# Altium PCB board_layout.pcbdoc (part 2 of 3)
Units mil, origin at the board's own origin, x right, y up, seen from the top; angles counter-clockwise.
Board outline 3627.19 x 3509.21 mil, 2 copper layers (Top Layer, Bottom Layer), stack 61.811 mil thick; 199 components, 120 nets, 649 pads, 293 vias.
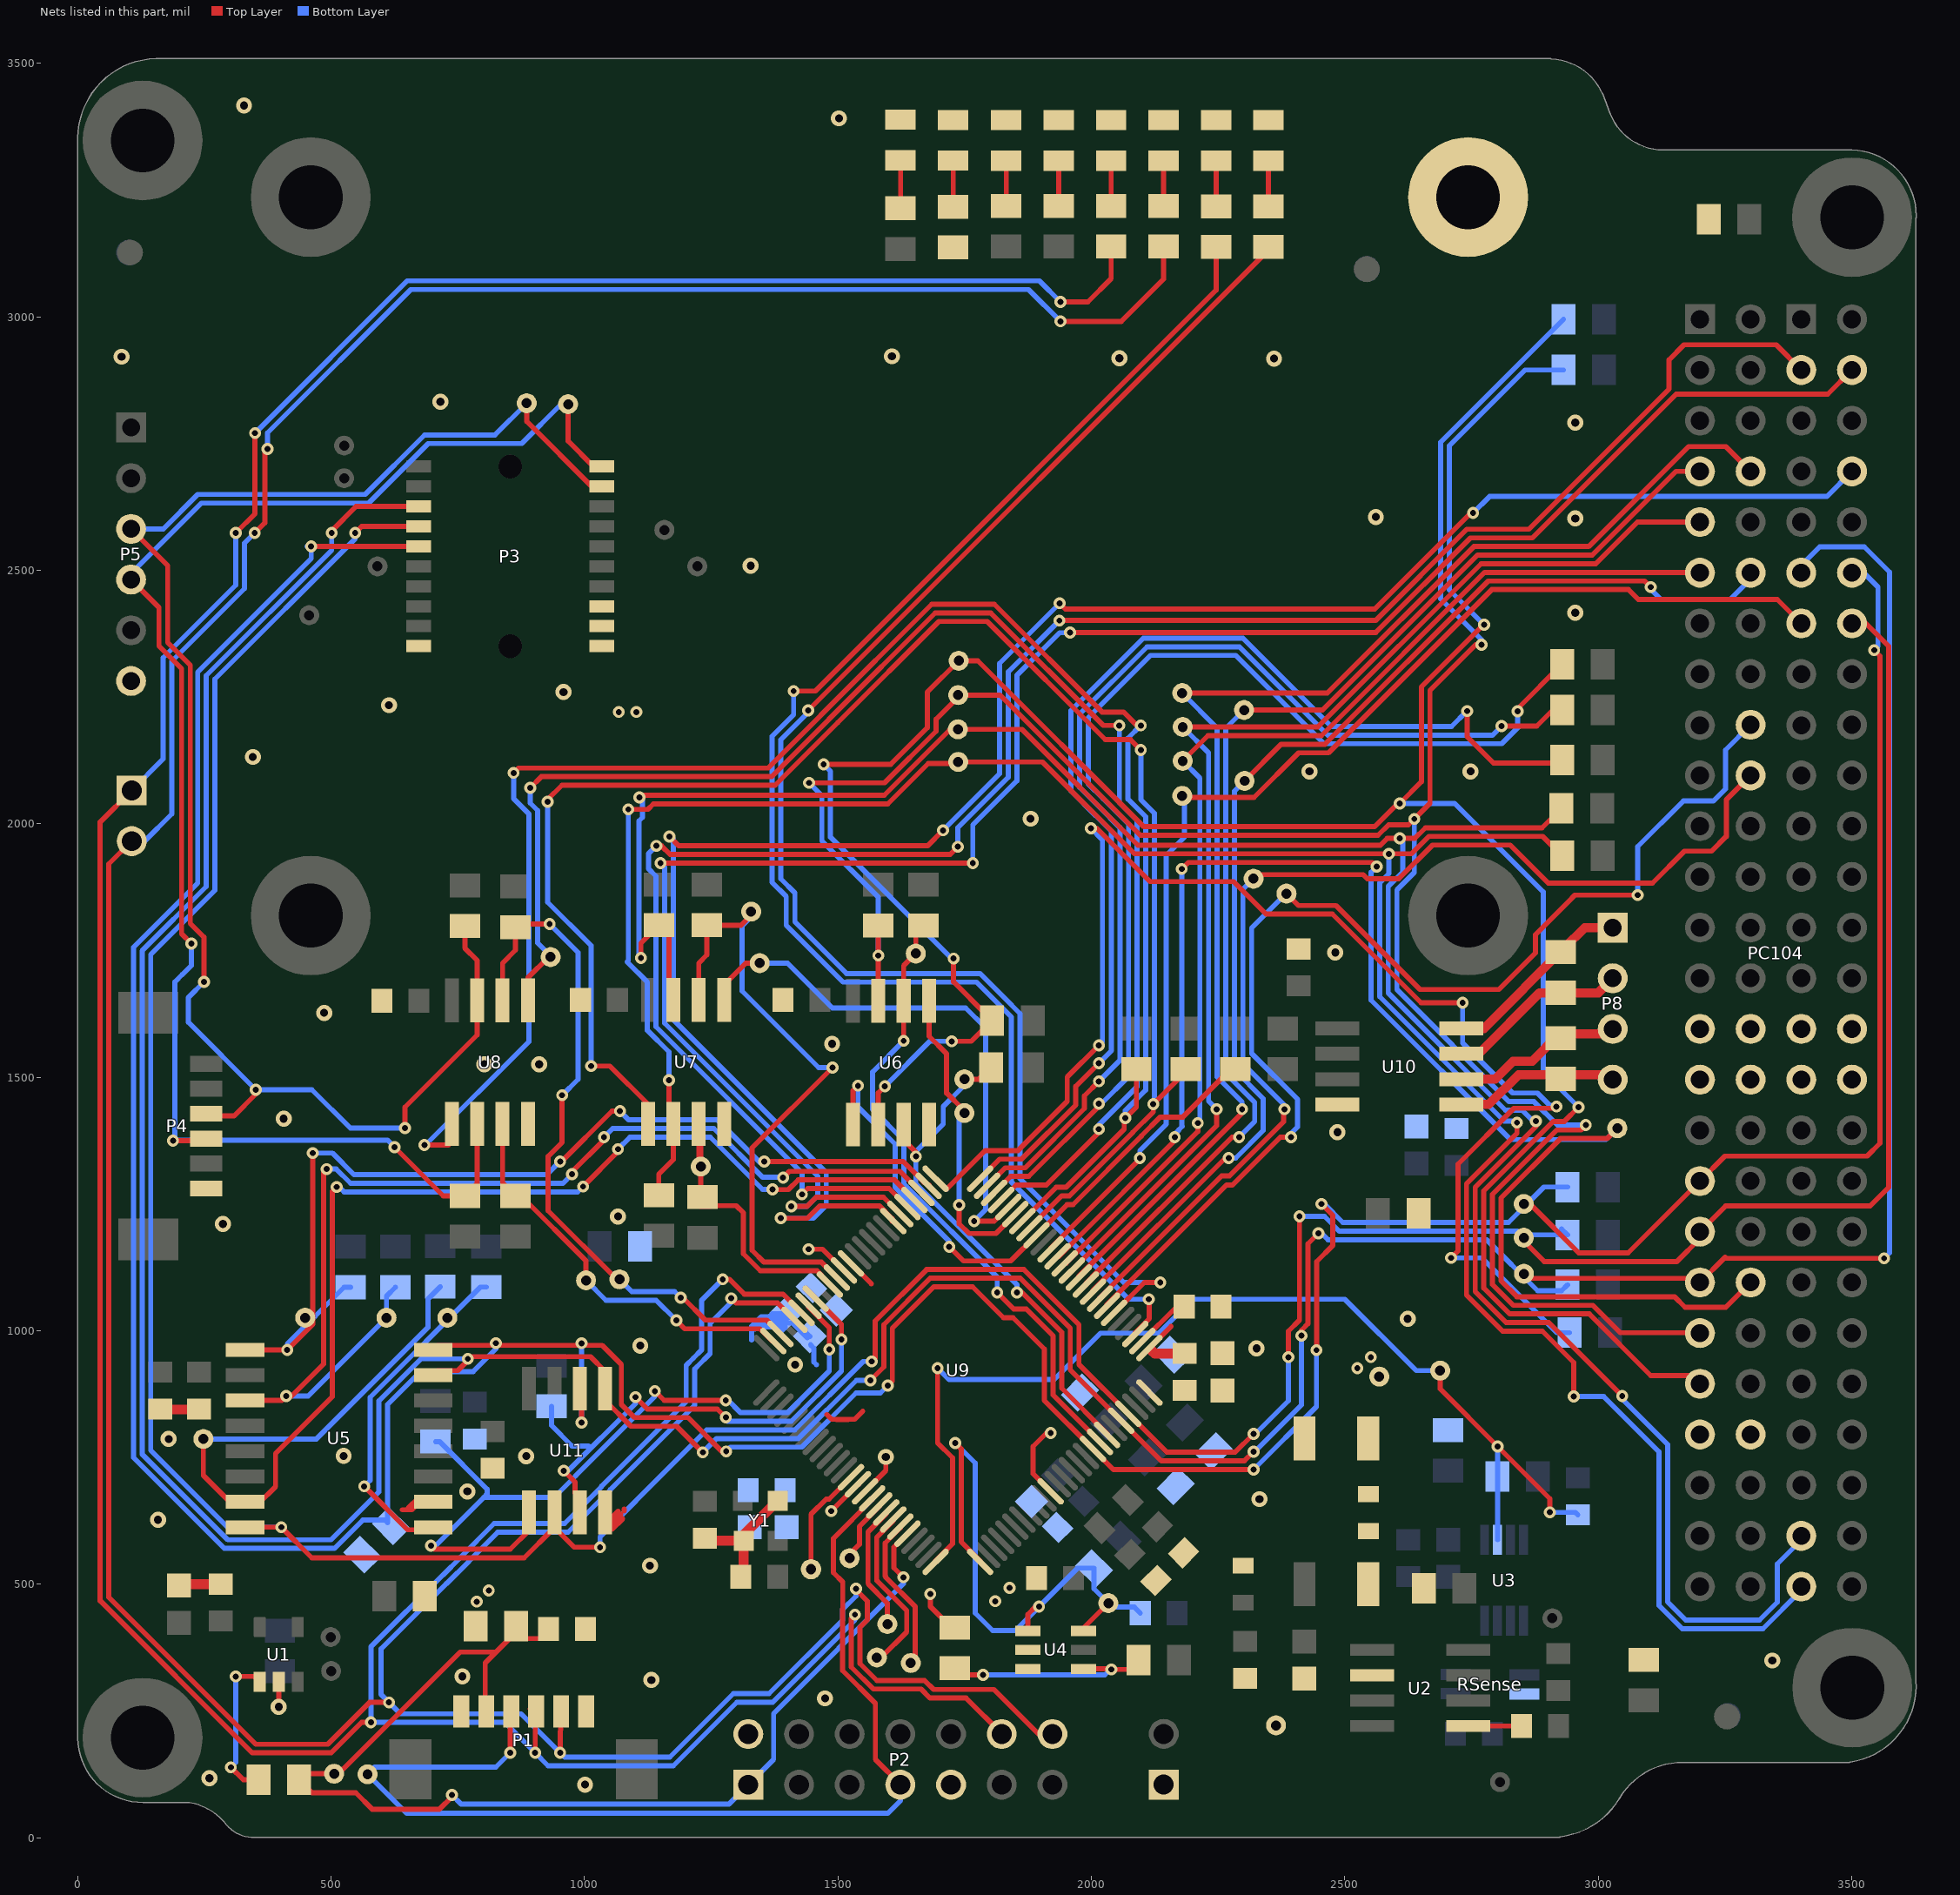
[diagram p2: the nets of this part, all layers, seen from the top]

## Via types
v1: diameter 23.62, hole 11.81, Top Layer to Bottom Layer, tented both sides, 247 vias
v2: diameter 31.5, hole 15.75, Top Layer to Bottom Layer, tented both sides, 28 vias
v3: diameter 31.5, hole 15.75, Top Layer to Bottom Layer, tented bottom, 8 vias
v4: diameter 31.5, hole 15.75, Top Layer to Bottom Layer, tented top, 8 vias
v5: diameter 31.5, hole 15.75, Top Layer to Bottom Layer, 2 vias

## Nets (pads, with @x,y where several pads share a name; then routed paths per layer and width w, separated by ;. In a path a pad name is that pad's centre, name@x,y a point inside that pad or via, vN(x,y) a via of type N, cw(c..) or ccw(c..) an arc to the next point about the centre after c; other vN are vias at no path point) (continued)
FRAM_SPI_CS: R39.1 U9.69 U11.1 | length 1518.6
  Top Layer w10: v1(696.85,575.79) 703.63,569.01 853.46,569.01 890.56,606.11 U11.1@890.56,641.43 ; v1(1138.78,880.91) 1157.13,862.55 v1(1278.54,862.55) ; U9.69@1442.1,1049.23 1442.1,1046.67 1482.92,1005.84 v1(1482.92,962.94)
  Bottom Layer w10: v1@701.32,571.31 801.27,671.26 ; R39.1@706.06,781.25 714.01,781.25 807.6,687.66 807.6,677.58 801.27,671.26 ; v1(1138.78,880.91) 1138.78,870.5 982.84,714.55 982.84,713.93 940.17,671.26 801.27,671.26 ; v1@1281.06,865.07 1307.84,838.29 1400.59,838.29 1482.92,920.63 v1(1482.92,962.94)
FRAM_WP: R40.1 U9.68 U11.3 | length 1065.6
  Top Layer w10: v1(959.06,723.78) 981.32,701.51 981.32,680.12 990.56,670.88 U11.3@990.56,641.43 ; v1(1100.39,869.09) 1123.94,845.55 1261.91,845.55 1278.53,828.94 v1(1278.73,828.94) ; U9.68@1456.02,1063.15 1506.95,1012.22 v1(1506.95,982.51)
  Bottom Layer w10: R40.1@934.75,850.75 934.75,813.28 975.39,772.64 1007.91,772.64 ; v1(959.06,723.78) 968.02,723.78 1100.39,856.15 v1(1100.39,869.09) ; v1(1278.73,828.94) 1278.73,824.7 1282.14,821.29 1407.63,821.29 1506.95,920.61 v1(1506.95,982.51)
GND: C1.2 C2.1 C3.2 C4.2 C5.1 C6.1 C7.2 C15.2 C16.2 C17.2 C18.2 C19.2 C20.2 C23.2 C24.2 C28.2 C29.2 C30.2 C31.2 C32.2 C34.2 C35.2 C36.2 C38.2 C39.2 D1.2 D2.2 D3.2 D4.2 D5.2 D6.2 D7.2 D8.2 FB2.1 MEC8.0 P1.6 P2.9 P3.2 P3.4 P3.6 P4.6 P5.6 PC104.H1-29 PC104.H1-30 PC104.H1-31 PC104.H1-32 PC104.H2-29 PC104.H2-30 PC104.H2-31 PC104.H2-32 R18.2 R_ESD.1 U1.2 U5.10 U6.4 U7.4 U8.4 U9.26 U9.63 U9.90 U10.4 U11.4 V1.2 V3.2 Y1.2 Y1.4 | length 1618.1
  Top Layer w10: C31.2@159.29,849.29 C30.2@235.43,849.29 ; C31.2@159.62,840.43 C30.2@235.76,840.43 ; C31.2@163.03,845.35 C30.2@239.17,845.35 ; C29.2@199.8,497.24 C29.2@202.56,500 ; v2(396.65,257.87) U1.2@396.65,307.09 ; 640.75,646.65 659.45,646.65 669.4,656.6 U5.10@669.4,666.26 ; 652.27,650.39 U5.10@673.16,671.27 ; U11.4@1037.4,608.01 1054.21,608.01 1075.09,628.89 ; U11.4@1045.35,623.1 1066.23,643.99 ; U11.4@1050.63,617.08 1071.51,637.96 ; 1078.19,644.43 1078.19,648.08 ; 1478.12,834.65 1487.64,825.12 1497.21,825.12 1497.47,824.86 1520.25,824.86 1520.5,825.12 1532.94,825.12 1548.76,840.94 ; U9.63@1525.61,1132.75 1565.92,1092.44 ; U9.90@1553.45,683.15 1594.49,724.18 v2(1594.49,750.98) ; 2119.92,960.2 U9.26@2114.41,965.71 2157.17,1008.47
  Top Layer w20: C29.2@202.56,500 C28.2@282.48,500 ; C3.2@1237.2,590.55 1242.13,585.63 Y1.2@1313.98,585.63 ; C4.2@1307.96,514.2 1313.98,520.21 Y1.2@1313.98,585.63 ; Y1.4@1380.91,664.37 1313.98,597.44 Y1.2@1313.98,585.63 ; 2119.92,960.2 2125.16,954.96 C15.2@2184.06,954.96
  Bottom Layer w10: 1329.72,981.3 1329.72,1008.89 1339.54,1018.7 ; 1336.07,1002.95 1347.93,1014.81 1410.8,1014.81 C18.2@1439.28,986.34 ; 1349.01,1007.33 1396.25,1007.33 1387.39,998.47 ; C17.2@1401.01,1024.61 1374.49,1024.61 1368.59,1018.7 1339.54,1018.7 ; C18.2@1444.61,988.87 1399.97,1033.51 C17.2@1396.25,1033.51 1370.41,1033.51 1364.46,1027.56 1348.39,1027.56 1339.54,1018.7 ; C18.2@1445.87,972.17 1452.35,965.68 1452.35,938.28 1457.56,933.07
  other v2: 1000.98,104.66 259.84,117.13 1131.69,311.02 758.86,317.91 3343.5,349.41 158.46,626.97 768.7,683.07 524.61,752.95 884.84,752.52 2325.79,965.27 1109.88,970.47 2624.02,1023.47 1065.94,1225.39 406.5,1418.31 2481.1,1746.06 2430.12,2103.33 2748.03,2103.35 614.17,2233.99 2954.72,2416.27 1327.76,2508.86 2561.02,2605.32 2360.24,2917.66 2055.12,2918.31 86.61,2921.26 1606.3,2922.24 328.18,3416.86
  other v3: 1129.02,536.42 179.48,786.42 1488.39,1565.94 486.22,1626.97 1879.92,2009.84 345.47,2131.89 958.58,2259.94 2954.72,2791.34
  other v4: 1474.41,274.61 2331.69,667.78 286.42,1210.63 2485.39,1391.73 802.17,1525.59 910.43,1525.59 2954.72,2602.36 715.55,2832.68
  other v5: 1415.35,933.07 1501.97,3391.73
I2C0_EN: R33.1 U6.1 U9.42 | length 1205.6
  Top Layer w10: U6.1@1529.6,1406.69 1529.6,1473.34 v1(1539.53,1483.27) ; v1(1719.49,1165.68) 1747.55,1137.61 1840.89,1137.61 U9.42@1891.69,1188.42 1952.1,1248.83 1963.66,1248.83 2098.53,1383.7 2098.53,1384.16 2135.9,1421.53 2180.42,1421.53 2275,1516.1 R33.1@2283.57,1516.1
  Bottom Layer w10: v1(1539.53,1483.27) 1539.53,1441.42 1612.94,1368.02 1612.94,1282.83 1719.49,1176.29 v1(1719.49,1165.68)
I2C0_READY: TP51.1 U6.5 U9.45 | length 605.3
  Top Layer w10: U6.5@1679.6,1650.98 1679.6,1581.02 1714.38,1546.24 1714.38,1468.69 1746.55,1436.52 TP51.1@1739.17,1429.13 ; v1(1739.17,1248.03) 1739.17,1211.14 1758.55,1191.76 1811.52,1191.76 U9.45@1849.94,1230.18
  Bottom Layer w10: v1(1739.17,1248.03) TP51.1@1739.17,1429.13
I2C0_SCL: R22.1 TP69.1 U6.3 U9.19 | length 1026.1
  Top Layer w10: U6.3@1629.6,1406.69 1629.6,1376.14 1653.75,1351.99 v1(1653.75,1343.73) ; TP69.1@1749.45,1496.06 1777.29,1496.06 R22.1@1793.04,1511.81 ; v1(1853.35,1075.33) 1862.95,1075.33 1941.39,996.89 1941.39,886.51 2030.89,797.02 U9.19@2030.89,794.5
  Bottom Layer w10: TP69.1@1749.45,1496.06 1749.45,1483.96 1707.7,1442.21 1707.7,1407.52 1653.75,1353.57 v1(1653.75,1343.73) 1653.75,1290.11 1853.35,1090.51 v1(1853.35,1075.33)
I2C0_SCL_BUF: J_PC2.2 PC104.H1-43 R28.1 TP59.1 U6.2 | length 5266.2
  Top Layer w10: v1(1471.62,2117.13) 1604.06,2117.13 1676.47,2189.54 1676.47,2259.95 TP59.1@1738.19,2321.67 1776.05,2321.67 2103.46,1994.26 2558.58,1994.26 2604.47,2040.15 v1(2608.27,2040.15) 2651.02,2082.9 2651.02,2270.11 2773.62,2392.72 v1(2774.61,2392.72) ; U6.2@1579.6,1406.69 1579.6,1469.37 v1(1592.52,1482.28) ; v1(1724.41,1570.87) 1763.01,1570.87 R28.1@1793.71,1601.57 ; v1(1728.1,1734.25) 1728.1,1688.19 1793.71,1622.58 R28.1@1793.71,1601.57 ; R28.1@1804.07,1611.93 R28.1@1793.71,1601.57 ; v1(2961.17,1440.94) 2933.16,1412.94 2911.17,1412.94 2774.16,1275.93 2774.16,1084.26 2825.33,1033.08 2982.3,1033.08 3103.7,911.69 3184.18,911.69 PC104.H1-43@3200.59,895.28
  Bottom Layer w10: v1(1471.62,2117.13) 1485.24,2103.51 1485.24,1973.43 1724.41,1734.25 v1(1728.1,1734.25) ; v1(1592.52,1482.28) 1681.1,1570.87 v1(1724.41,1570.87) ; v1(2608.27,2040.15) 2716.74,2040.15 2891.28,1865.61 2891.28,1510.83 v1(2961.17,1440.94) ; v1(2774.61,2392.72) 2705.98,2461.35 2705.98,2745.75 2855.5,2895.28 J_PC2.2@2931.46,2895.28
I2C0_SDA: R21.1 TP68.1 U6.6 U9.18 | length 1262.3
  Top Layer w10: v1(1629.6,1571.85) 1629.6,1648.38 1630.91,1649.68 U6.6@1629.6,1650.98 1629.6,1720.15 TP68.1@1653.54,1744.09 1653.54,1784.14 R21.1@1668.97,1799.57 ; v1@1814.14,1076.36 v1(1814.14,1075.33) 1846.68,1042.8 1871.44,1042.8 1924.39,989.85 1924.39,873.16 U9.18@2016.97,780.58
  Bottom Layer w10: v1(1629.6,1571.85) 1568.02,1510.27 1568.02,1436.98 1629.94,1375.06 1629.94,1289.88 1814.14,1105.67 v1@1814.14,1076.36
I2C0_SDA_BUF: J_PC1.2 PC104.H1-41 R27.1 TP58.1 U6.7 | length 4862.3
  Top Layer w10: v1(1443.04,2080.71) 1591.68,2080.71 1693.47,2182.5 1693.47,2206.27 1726.82,2239.61 1726.82,2251.97 TP58.1@1737.64,2241.14 ; U6.7@1579.6,1650.98 v1(1579.6,1740.16) R27.1@1579.6,1799.57 R27.1@1579.6,1808.43 ; TP58.1@1737.2,2253.94 1819.74,2253.94 2096.42,1977.26 2565.62,1977.26 2586.4,1998.03 2625.58,1998.03 v1(2637.1,2009.55) 2668.02,2040.47 2668.02,2263.07 2758.09,2353.15 v1(2769.49,2353.15) ; v1(2975.39,1405.7) 2965.63,1395.94 2918.21,1395.94 2791.16,1268.89 2791.16,1091.3 2832.37,1050.08 2989.35,1050.08 3043.37,996.06 3185.63,996.06 3193.5,988.19 PC104.H1-41@3200.59,995.28
  Bottom Layer w10: v1(1443.04,2080.71) 1468.24,2055.52 1468.24,1966.38 1579.6,1855.02 v1(1579.6,1740.16) ; v1(2637.1,2009.55) 2637.1,1903.83 2602.72,1869.45 2602.72,1673.15 2823.93,1451.93 2873.07,1451.93 2919.3,1405.7 v1(2975.39,1405.7) ; v1(2769.49,2353.15) 2769.49,2363.19 2688.98,2443.7 2688.98,2752.8 J_PC1.2@2931.46,2995.28
I2C1_EN: R34.1 U7.1 U9.43 | length 3325.9
  Top Layer w10: v1(927.34,2043.31) 927.34,2047.97 955.35,2075.98 1376.16,2075.98 1499.64,2199.46 1499.64,2199.69 1699.02,2399.07 1794.34,2399.07 2027.18,2166.24 2076.87,2166.24 v1(2097.44,2145.67) ; v1(1012.8,1522.05) 1050.07,1522.05 1125.27,1446.85 U7.1@1125.27,1407.87 ; U9.43@1877.77,1202.34 1941.26,1265.83 1956.61,1265.83 2081.53,1390.75 2081.53,1391.21 2122.05,1431.72 v1(2122.05,1446.85) 2186.14,1510.94 R34.1@2186.14,1516.1
  Bottom Layer w10: v1(927.34,2043.31) 927.34,1845.3 1012.8,1759.84 v1(1012.8,1522.05) ; v1(2097.44,2145.67) 2097.44,2047.57 2124.26,2020.75 2124.26,1449.07 v1(2122.05,1446.85)
I2C1_READY: TP54.1 U7.5 U9.46 | length 1086.1
  Top Layer w10: U7.5@1275.27,1652.17 1275.27,1682.3 1318.07,1725.1 TP54.1@1345.47,1725.1 ; v1(1768.7,1216.26) 1808.18,1216.26 U9.46@1836.02,1244.1
  Bottom Layer w10: TP54.1@1345.47,1725.1 1400.36,1725.1 1488.73,1636.72 1752.06,1636.72 1791.25,1597.53 1791.25,1238.81 v1(1768.7,1216.26)
I2C1_SCL: R24.1 TP53.1 U7.3 U9.66 | length 623.5
  Top Layer w10: TP53.1@1241.39,1323.82 TP53.1@1229.33,1335.88 ; U9.66@1483.86,1090.99 1466.98,1107.86 1466.98,1110.03 1458.81,1118.21 1452.84,1118.21 1346.88,1118.24 1313.18,1151.94 1313.18,1232.72 1299.23,1246.67 1249.09,1246.67 1247.5,1245.08 1229.33,1245.08 TP53.1@1229.33,1323.82 TP53.1@1229.33,1335.88 ; TP53.1@1229.33,1335.88 1225.27,1339.94 U7.3@1225.27,1407.87 1229.33,1403.82 TP53.1@1229.33,1335.88
I2C1_SCL_BUF: J_PC4.2 PC104.H2-51 R30.1 TP61.1 U7.2 | length 5056.2
  Top Layer w10: v1(1086.26,2028.35) 1125.02,2028.35 1135.87,2039.21 1598.26,2039.21 1678.15,2119.09 1737.2,2119.09 TP61.1@1740.16,2122.05 ; R30.1@1146.53,1267.36 1146.53,1308.93 1175.27,1337.67 U7.2@1175.27,1407.87 1166.44,1416.71 v1(1166.44,1494.09) ; TP61.1@1737.2,2122.05 TP61.1@1740.16,2122.05 ; v1(2839.57,1410.43) 2839.57,1389.42 2740.16,1290.01 2740.16,1070.17 2811.25,999.08 2890.01,999.08 2951.77,937.33 v1(2951.77,870.08) ; J_PC4.2@2927.25,1935.76 2916.69,1925.2 2916.69,1948.82 2890.39,1975.13 2665.95,1975.13 2631.56,1940.73 v1(2586.83,1940.73) 2084.86,1940.73 1903.54,2122.05 TP61.1@1740.16,2122.05
  Bottom Layer w10: v1(1086.26,2028.35) 1086.26,1730.35 1083.66,1727.75 1123.91,1687.5 1123.91,1592.58 1166.44,1550.06 v1(1166.44,1494.09) ; v1(2586.83,1940.73) 2586.83,1901.64 2568.72,1883.53 2568.72,1659.07 2814.4,1413.39 2836.61,1413.39 v1(2839.57,1410.43) ; v1(2951.77,870.08) 3010.83,870.08 3119.81,761.09 3119.81,457.94 3165.62,412.13 3324.96,412.13 3400.59,487.77 PC104.H2-51@3400.59,495.28
I2C1_SDA: R23.1 TP52.1 U7.6 U9.65 | length 1266.8
  Top Layer w10: U7.6@1225.27,1652.17 1225.27,1725.1 1241.39,1741.22 R23.1@1241.39,1799.76 1308.62,1799.76 TP52.1@1325.79,1816.93 ; v1(1489.17,1519.28) 1330.52,1360.63 1330.52,1158.64 1353.92,1135.24 1467.44,1135.24 U9.65@1497.77,1104.91
  Bottom Layer w10: TP52.1@1329.58,1826.77 1329.58,1816.78 1310.91,1798.12 1310.91,1670.04 1461.68,1519.28 v1(1489.17,1519.28)
I2C1_SDA_BUF: J_PC3.2 PC104.H2-49 R29.1 TP60.1 U7.7 | length 4868.2
  Top Layer w10: v1(1108.27,2052.17) 1112.31,2056.21 1591.22,2056.21 TP60.1@1719.07,2184.06 ; v1(1111.22,1735.24) 1111.22,1764.45 R29.1@1146.53,1799.76 1166.44,1779.86 1166.44,1661 U7.7@1175.27,1652.17 ; TP60.1@1736.62,2186.42 1863.21,2186.42 2091.9,1957.73 2570.14,1957.73 2583.73,1971.32 v1(2608.27,1971.32) 2638.1,1971.32 2658.91,1992.13 2888.94,1992.13 J_PC3.2@2927.52,2030.71 ; v1(2876.97,1413.39) 2876.97,1402.78 2757.16,1282.97 2757.16,1077.21 2818.29,1016.08 2902.22,1016.08 v1(3047.24,871.06)
  Bottom Layer w10: v1(1108.27,2052.17) 1114.17,2046.26 1114.17,2012.57 1107.47,2005.87 1107.47,1738.98 v1(1111.22,1735.24) ; v1(2608.27,1971.32) 2614.17,1965.41 2614.17,1904.95 2585.72,1876.49 2585.72,1666.11 2816.89,1434.93 2849.72,1434.93 2871.26,1413.39 v1(2876.97,1413.39) ; v1(3047.24,871.06) 3041.34,871.06 3136.81,775.59 3136.81,464.99 3172.66,429.13 3317.91,429.13 3353.35,464.57 3353.35,540 3400.59,587.25 PC104.H2-49@3400.59,595.28
I2C2_EN: R35.1 U8.1 U9.44 | length 3620.2
  Top Layer w10: v1(684.06,1366.14) 731.4,1366.14 738.25,1372.99 U8.1@738.25,1407.68 ; v1(859.95,2100.39) 869.54,2109.98 1362.08,2109.98 1465.64,2213.54 1465.64,2213.78 1684.94,2433.07 1808.43,2433.07 2021.03,2220.47 2063.19,2220.47 2089.77,2193.9 v1(2097.44,2193.9) ; U9.44@1863.86,1216.26 1930.42,1282.83 1949.57,1282.83 2064.53,1397.79 2064.53,1416.94 v1(2067.04,1419.45) 2088.7,1441.11 R35.1@2088.7,1516.1
  Bottom Layer w10: v1(684.06,1366.14) 686.2,1366.14 890.29,1570.23 890.29,1819.07 890.48,1819.26 890.48,2019.19 859.95,2049.71 v1(859.95,2100.39) ; v1(2067.04,1419.45) 2067.04,1434.51 2107.26,1474.74 2107.26,2013.71 2072.12,2048.85 2072.12,2168.57 v1(2097.44,2193.9)
I2C2_READY: TP57.1 U8.5 U9.47 | length 2955.1
  Top Layer w10: U8.5@888.25,1651.97 888.25,1696.32 929.13,1737.2 TP57.1@933.07,1737.2 ; v1(892.72,2070.87) 914.83,2092.98 1369.12,2092.98 1482.64,2206.5 1482.64,2206.73 1691.98,2416.07 1801.39,2416.07 2023.56,2193.9 v1(2055.12,2193.9) ; U9.47@1822.1,1258.02 1851.48,1287.4 1910.95,1287.4 2014.76,1391.21 v1(2014.76,1397.64) ; v1@2017.98,1394.42 v1@2021.19,1397.64
  Bottom Layer w10: v1(892.72,2070.87) 892.72,2040.99 907.48,2026.23 907.48,1812.22 907.29,1812.03 907.29,1764.95 933.07,1739.17 TP57.1@933.07,1737.2 ; v1(2014.76,1397.64) 2014.76,1406.28 2090.26,1481.78 2090.26,2006.67 2055.12,2041.81 v1(2055.12,2193.9)
I2C2_SCL: R26.1 TP56.1 U8.3 U9.74 | length 802.1
  Top Layer w10: U8.3@838.25,1407.68 838.25,1291.5 R26.1@863.82,1265.93 874.82,1265.93 1002.95,1137.8 TP56.1@1002.95,1099.32 ; v1(1181.1,1020.32) 1197.62,1003.8 1345.81,1003.8 1369.98,979.63 U9.74@1372.5,979.63
  Bottom Layer w10: TP56.1@1002.95,1099.32 1042.23,1060.04 1141.38,1060.04 v1(1181.1,1020.32)
I2C2_SCL_BUF: P3.20 P4.4 P5.4 R32.1 TP63.1 U8.2 | length 3177.5
  Top Layer w10: P5.4@105.31,2481.69 160.43,2426.57 160.43,2350.62 205.13,2305.92 205.13,1783.06 v1(224.41,1763.78) ; v1(187.99,1375) 253.86,1375 P4.4@254.45,1374.41 ; v1(625,1362.2) 721.28,1265.93 R32.1@763.82,1265.93 788.25,1290.35 U8.2@788.25,1407.68 ; TP63.1@967.52,2827.76 967.52,2755.12 1017.91,2704.72 P3.20@1034.06,2704.72
  Bottom Layer w10: P5.4@105.31,2481.69 105.31,2494.09 243.91,2632.69 574.06,2632.69 691.36,2750 875.98,2750 953.74,2827.76 TP63.1@967.52,2827.76 ; v1(224.41,1763.78) 224.41,1720.47 206.59,1702.65 206.39,1702.65 191.93,1688.19 191.93,1375.98 611.22,1375.98 v1(625,1362.2)
I2C2_SDA: R25.1 TP55.1 U8.6 U9.73 | length 1404.8
  Top Layer w10: U8.6@838.25,1651.97 838.25,1725.06 863.82,1750.63 R25.1@863.82,1796.22 869.77,1802.17 v1(931.1,1802.17) ; v1(955.71,1464.57) 955.71,1371.53 927.96,1343.79 927.96,1236.83 1063.41,1101.38 TP55.1@1068.9,1101.38 ; v1(1189.96,1064.96) 1193.9,1064.96 1238.06,1020.8 1359.17,1020.8 U9.73@1386.42,993.55
  Bottom Layer w10: v1(931.1,1802.17) 987.2,1746.06 987.2,1496.06 v1(955.71,1464.57) ; TP55.1@1061.02,1101.38 TP55.1@1068.9,1101.38 1093.24,1077.04 1177.88,1077.04 v1(1189.96,1064.96)
I2C2_SDA_BUF: P3.18 P4.3 P5.3 R31.1 TP62.1 U8.7 | length 3271.5
  Top Layer w10: P5.3@105.31,2581.69 177.43,2509.57 177.43,2357.66 222.13,2312.96 222.13,1803.15 249.02,1776.26 v1(249.02,1687.99) ; P4.3@254.45,1423.62 308.46,1423.62 351.38,1466.54 v1(351.38,1475.39) ; v1(645.67,1399.61) 645.67,1440.85 788.25,1583.42 U8.7@788.25,1651.97 788.25,1730.45 763.82,1754.88 R31.1@763.82,1798.58 ; TP62.1@885.83,2829.72 885.83,2793.75 1014.23,2665.35 P3.18@1034.06,2665.35
  Bottom Layer w10: P5.3@105.31,2581.69 168.87,2581.69 236.87,2649.69 567.02,2649.69 684.32,2767 823.1,2767 TP62.1@885.83,2829.72 ; v1(249.02,1687.99) 218.5,1657.48 218.5,1608.27 v1(351.38,1475.39) 462.06,1475.39 537.85,1399.61 v1(645.67,1399.61)
JTAG_TCK: P1.3 P2.7 TP1.1 U9.91 | length 2152.6
  Top Layer w10: v1(853.35,167.32) P1.3@853.35,244.09 ; U9.91@1567.37,669.23 1567.37,666.71 1490.91,590.25 1490.91,522.87 1509.31,504.47 1509.31,450.45 1508.96,450.11 1508.96,329.78 1573.82,264.93 1573.82,154.33 P2.7@1623.43,104.72
  Bottom Layer w10: v1(853.35,167.32) 825.05,139.02 585.87,139.02 TP1.1@571.85,125 648.94,47.91 1598.11,47.91 1623.43,73.23 P2.7@1623.43,104.72
JTAG_TDO_TDI: C1.1 P1.2 P2.1 R1.1 R8.2 TP2.1 U9.96 | length 2364.7
  Top Layer w10: v1(738.19,84.4) 738.19,80.55 713.74,56.1 581.03,56.1 548.55,88.58 462.24,88.58 R8.2@436.65,114.17 448.46,125.98 TP2.1@505.91,125.98 514.39,125.98 754.55,366.14 825.59,366.14 ; P1.2@804.13,244.09 804.13,344.68 825.59,366.14 ; R1.1@864.8,416.84 R1.1@864.8,405.35 ; C1.1@929.13,411.42 910.43,392.72 864.8,392.72 R1.1@864.8,405.35 ; v1(1628.94,513.56) 1610.24,532.26 1610.24,572.9 U9.96@1636.97,599.63 ; 825.59,366.14 R1.1@864.8,405.35
  Bottom Layer w10: v1(738.19,84.4) 756.64,65.94 1284.65,65.94 P2.1@1323.03,104.33 1373.03,154.33 1373.03,244.88 1628.94,500.78 v1(1628.94,513.56)
JTAG_VCC: P1.1 P2.2 P6.1
MAIN_RADIO_ENABLE: PC104.H1-12 TP32.1 U9.34 | length 2399.9
  Top Layer w10: U9.34@2003.05,1077.07 2003.05,1079.58 2264.02,1340.55 v1(2270.8,1340.55) ; TP32.1@2302.17,2084.65 2374.46,2156.94 2460.79,2156.94 2782.8,2478.96 3091.42,2478.96 v1(3103.35,2467.03)
  Bottom Layer w10: v1(2270.8,1340.55) 2284.65,1340.55 2339.04,1394.94 2339.04,1457.64 2282.09,1514.59 2282.09,2064.57 TP32.1@2302.17,2084.65 ; v1(3103.35,2467.03) 3103.35,2462.6 3124.02,2441.93 3259.84,2441.93 3300.59,2482.68 PC104.H1-12@3300.59,2495.28
MAIN_RADIO_GPIO0: PC104.H1-7 TP28.1 U9.35 | length 2412.4
  Top Layer w10: U9.35@1989.13,1090.99 1989.13,1093.5 2013.3,1117.67 2260.66,1365.05 2277.52,1381.89 v1(2291.34,1381.89) ; TP28.1@2301.18,2224.41 2456.13,2224.41 2761.68,2529.96 2988.05,2529.96 3153.37,2695.28 PC104.H1-7@3200.59,2695.28
  Bottom Layer w10: v1(2291.34,1381.89) 2322.04,1412.59 2322.04,1450.6 2265.09,1507.55 2265.09,2188.32 TP28.1@2301.18,2224.41
MAIN_RADIO_GPIO1: PC104.H1-8 TP29.1 U9.36 | length 2685.2
  Top Layer w10: U9.36@1975.21,1104.91 1975.21,1107.42 2297.24,1429.46 v1(2297.24,1437.01) v1@2297.24,1439.96 ; TP29.1@2179.13,2257.87 2465.55,2257.87 2754.63,2546.96 2981.01,2546.96 3178.15,2744.09 3251.77,2744.09 PC104.H1-8@3300.59,2695.28
  Bottom Layer w10: TP29.1@2179.13,2257.87 2248.09,2188.92 2248.09,1500.51 2297.24,1451.35 v1(2297.24,1437.01) v1@2297.24,1433.07
MAIN_RADIO_GPIO2: PC104.H1-9 TP30.1 U9.37 | length 2406.2
  Top Layer w10: U9.37@1961.29,1118.83 2247.05,1404.58 v1(2247.05,1437.01) ; TP30.1@2180.12,2190.94 2446.71,2190.94 2768.72,2512.96 2995.09,2512.96 3077.41,2595.28 PC104.H1-9@3200.59,2595.28
  Bottom Layer w10: TP30.1@2180.12,2190.94 2231.09,2139.98 2231.09,1452.97 v1(2247.05,1437.01)
MAIN_RADIO_RESET: PC104.H1-11 TP31.1 U9.38 | length 2292.1
  Top Layer w10: U9.38@1947.37,1132.75 1949.87,1132.75 2209.88,1392.75 v1(2209.88,1409.67) ; TP31.1@2180.12,2124.02 2230.05,2173.94 2453.75,2173.94 2775.76,2495.96 3199.91,2495.96 PC104.H1-11@3200.59,2495.28
  Bottom Layer w10: TP31.1@2180.12,2124.02 2214.09,2090.05 2214.09,1413.88 v1(2209.88,1409.67)
MAIN_RADIO_SPI_CS: PC104.H1-40 TP33.1 U9.39 | length 3120.3
  Top Layer w10: U9.39@1933.45,1146.66 1935.97,1146.66 1960.14,1170.83 1960.4,1170.83 2164.37,1374.8 v1(2164.37,1381.89) ; v1(2178.15,1910.75) 2191.13,1923.73 2554.54,1923.73 v1(2562.92,1915.35) ; TP33.1@3037.64,1399.5 3017.07,1378.94 2925.25,1378.94 2808.16,1261.84 2808.16,1098.34 2839.41,1067.08 3150.44,1067.08 3171.26,1046.26 3251.57,1046.26 PC104.H1-40@3300.59,1095.28
  Bottom Layer w10: v1@2164.37,1384.96 2164.37,1387.4 2172.87,1395.91 2172.24,1396.54 2179.13,1403.43 2178.15,1404.41 v1(2178.15,1910.75) ; v1(2562.92,1915.35) 2551.72,1904.16 2551.72,1652.02 2826.67,1377.07 3015.21,1377.07 TP33.1@3037.64,1399.5
MEM_HOLD: R16.1 TP49.1 U5.1 U9.52 | length 2023.4
  Top Layer w10: U5.1@330.24,962.32 U5.1@357.01,962.32 ; U5.1@362.2,967.52 U5.1@357.01,962.32 ; v1(463.58,1350.39) 463.58,1012.52 v1(413.39,962.32) U5.1@357.01,962.32 ; v1(951.77,1333.92) 951.77,1330.71 1054.13,1433.07 v1(1069.88,1433.07) ; v1(1354.33,1333.92) 1628.15,1333.92 U9.52@1669.32,1292.75 ; U9.52@1678.73,1287.12 U9.52@1679.99,1287.12
  Bottom Layer w10: v1(413.39,962.32) 413.39,973.66 525.4,1085.68 R16.1@538.39,1085.68 ; v1(463.58,1350.39) 502.57,1350.39 545.25,1307.72 925.57,1307.72 v1(951.77,1333.92) ; v1(1069.88,1433.07) 1087.06,1415.89 1262.13,1415.89 1346.6,1331.43 1349.09,1333.92 v1(1354.33,1333.92)
MEM_RESET: R17.1 TP50.1 U5.3 U9.53 | length 2200.1
  Top Layer w10: U5.3@330.24,862.32 402.68,862.32 v1(411.42,871.06) 422.13,871.06 485.24,934.17 485.24,1312.99 v1(491.14,1318.9) ; v1(975.39,1308.67) 975.39,1313.35 1038.39,1376.34 v1(1038.39,1381.89) ; v1(1391.73,1302.17) 1403.99,1314.43 1622.32,1314.43 U9.53@1664.81,1271.94
  Bottom Layer w10: v1(411.42,871.06) 454.72,871.06 TP50.1@609.25,1025.59 609.25,1067.96 R17.1@626.97,1085.68 ; v1(491.14,1318.9) 510.03,1318.9 538.21,1290.72 957.44,1290.72 v1(975.39,1308.67) ; v1(1038.39,1381.89) 1055.39,1398.89 1255.09,1398.89 1351.43,1302.55 1391.35,1302.55 v1(1391.73,1302.17)
MEM_SPI_CS: R14.1 TP47.1 U5.7 U9.54 | length 2777.1
  Top Layer w10: TP47.1@248.03,786.42 248.03,714.57 300.27,662.32 U5.7@330.24,662.32 332.6,659.96 357.79,659.96 390.28,692.44 390.28,757.82 502.24,869.78 502.24,1274.87 v1(510.82,1283.46) ; v1(997.05,1284.45) 1065.94,1353.35 v1(1065.94,1358.27) ; v1(1370.84,1278.74) 1371.22,1278.35 1402.37,1278.35 1421.44,1297.43 1611.48,1297.43 U9.54@1650.89,1258.02
  Bottom Layer w10: TP47.1@248.03,786.42 471.04,786.42 690.94,1006.33 690.94,1062.17 R14.1@715.55,1086.78 ; v1(510.82,1283.46) 510.82,1288.65 525.75,1273.72 986.31,1273.72 v1@993.57,1280.97 ; v1(1065.94,1358.27) 1089.57,1381.89 1248.05,1381.89 1351.2,1278.74 v1(1370.84,1278.74)
MEM_W: R15.1 TP48.1 U5.9 | length 675.5
  Top Layer w10: v1(565.26,692.91) 650.89,607.28 690.55,607.28 698.43,615.16 U5.9@701.26,612.32
  Bottom Layer w10: v1(565.26,692.91) 577.2,704.85 577.2,868.54 794.65,1085.98 R15.1@806.1,1085.98
NetC2_2: C2.2 U9.27 | length 110.6
  Top Layer w10: U9.27@2100.49,979.63 2168.1,1047.24 C2.2@2183.07,1047.24
NetC11_1: C11.1 U2.5 | length 105.4
  Top Layer w10: U2.5@2743.11,220.28 2848.23,220.28 C11.1@2848.43,220.47
NetD1_1: D1.1 R2.1 | length 89.9
  Top Layer w10: R2.1@2349.41,3218.21 D1.1@2349.41,3308.07
NetD2_1: D2.1 R3.1 | length 89.9
  Top Layer w10: R3.1@2245.92,3218.21 D2.1@2245.92,3308.07
NetD3_1: D3.1 R4.1 | length 89
  Top Layer w10: R4.1@2038.95,3219.04 D3.1@2038.95,3308.07
NetD4_1: D4.1 R5.1 | length 89
  Top Layer w10: R5.1@2142.43,3219.04 D4.1@2142.43,3308.07
NetD5_1: D5.1 R6.1 | length 89
  Top Layer w10: R6.1@1831.97,3219.04 D5.1@1831.97,3308.07
NetD6_1: D6.1 R7.1 | length 89
  Top Layer w10: R7.1@1935.46,3219.04 D6.1@1935.46,3308.07
NetD7_1: D7.1 R12.1 | length 94.9
  Top Layer w10: R12.1@1623.43,3214.12 D7.1@1623.43,3309.06
NetD8_1: D8.1 R13.1 | length 90.9
  Top Layer w10: R13.1@1727.36,3217.39 D8.1@1727.36,3308.29
NetR8_1: R8.1 U1.1 | length 299.6
  Top Layer w10: v1(302.17,138.78) 326.77,114.17 R8.1@356.65,114.17 ; v1(312.01,317.91) 348.43,317.91 U1.1@359.25,307.09
  Bottom Layer w10: v1(302.17,138.78) 312.01,148.62 v1(312.01,317.91)
NetR10_1: R10.1 R11.2 U4.1 | length 439.5
  Top Layer w10: R10.1@1724.41,334.02 1737.56,320.87 v1(1786.42,320.87) ; U4.1@1984.63,332.87 2038.19,332.87 v1(2039.37,331.69) 2073.98,331.69 R11.2@2092.87,350.59
  Bottom Layer w10: v1(1786.42,320.87) 2026.57,320.87 v1@2037.4,331.69
NetTP10_1: TP10.1 U9.88 | length 217.5
  Top Layer w10: TP10.1@1446.83,529.53 1446.83,638 1476.79,667.95 1482.58,667.95 U9.88@1525.61,710.99
NetTP21_1: TP21.1 U9.92 | length 128.3
  Top Layer w10: TP21.1@1522.91,551.18 1522.91,559.32 1542.24,578.65 1542.24,613.74 1581.29,652.79 U9.92@1581.29,655.31
NetTP22_1: TP22.1 U9.93 | length 250.9
  Top Layer w10: U9.93@1595.21,641.39 1595.21,638.87 1559.24,602.9 1559.24,501.99 1559.93,501.29 1559.93,499.84 1597.44,462.33 TP22.1@1597.44,421.26
NetTP23_1: TP23.1 U9.94 | length 339.6
  Top Layer w10: TP23.1@1576.77,355.32 1585.09,355.32 1635.56,405.78 1635.56,448.25 1576.93,506.88 1576.93,508.33 1576.24,509.03 1576.24,592.06 1609.13,624.95 U9.94@1609.13,627.47
NetTP24_1: TP24.1 U9.95 | length 309.7
  Top Layer w10: U9.95@1623.05,613.55 1623.05,611.03 1593.24,581.22 1593.24,516.07 1593.93,515.37 1593.93,513.92 1652.56,455.29 1652.56,353.35 TP24.1@1643.7,344.49
OBDH_AVCC: C8.1 C9.1 C10.1 C21.1 C22.1 C27.1 FB1.2 J_V3.2 TP43.1 U2.2 U4.5 U4.6 U9.11 | length 148.7
  Top Layer w10: U9.11@1919.53,683.15 1884.84,717.84 1884.84,771.61 1911.46,798.23 v1(1919.65,798.23)
  other v1: 1810,466.36 1838.58,492.86
OBDH_CURRENT_ADC: C14.1 R9.2 TP6.1 U3.2 U9.100 | length 2143.6
  Top Layer w10: U9.100@1692.65,543.95 1692.65,546.47 1726.06,579.88 1726.06,749.14 1696.55,778.65 v1(1696.55,926.18) ; TP6.1@2687.99,921.26 2687.99,885.2 v1(2801.54,771.65) 2904.53,668.66 v1(2904.53,641.73)
  Bottom Layer w10: v1(1696.55,926.18) 1719.18,903.54 1926.18,903.54 2017.72,995.08 2132.98,995.08 2199.91,1062.01 2500,1062.01 2640.75,921.26 TP6.1@2687.99,921.26 ; U3.2@2801.18,587.6 2801.18,720.12 2801.54,720.47 v1(2801.54,771.65) ; v1(2904.53,641.73) 2954.72,641.73 C14.1@2959.65,636.81
OBDH_DVCC: C7.1 C15.1 C16.1 C17.1 C18.1 C19.1 C20.1 FB1.1 J_V1.2 J_V2.2 J_V4.2 J_V5.2 P3.1 R1.2 R10.2 R13.2 RSense.2 TP42.1 U9.25 U9.64 U9.89 V2.1 V4.1 | length 247.2
  Top Layer w10: v1(1441.93,1160.88) 1469.64,1160.88 U9.64@1511.69,1118.83 ; v1(1486.57,644.11) U9.89@1539.53,697.07 U9.89@1540.57,697.07 ; v1(1682.09,480.57) 1682.09,456.34 R10.2@1724.41,414.02
  other v1: 787.4,465.55 811.02,487.42 2524.61,926.18 2551.18,947.83 1067.56,2220.47 1102.01,2220.47
OBDH_VCC: J_V0.1 PC104.H1-45 PC104.H1-46
OBDH_VOLTAGE_ADC: C37.1 R37.2 TP7.1 U4.3 U4.4 U9.1 | length 1195.2
  Top Layer w10: v1(1731.3,778.54) 1743.06,766.78 1743.06,583.75 1780.34,546.47 U9.1@1780.34,543.95 ; U4.4@1874.4,407.68 1874.4,440.54 1889.44,455.58 v1(1896.65,455.58) ; U4.3@1984.63,407.68 1984.63,413.77 TP7.1@2033.46,462.6
  Bottom Layer w10: v1(1731.3,778.54) 1770.67,739.17 1770.67,442.91 1805.12,408.46 1849.53,408.46 v1(1896.65,455.58) 1972.82,531.76 R37.2@2005.18,531.76 2005.18,490.88 TP7.1@2033.46,462.6 2041.34,454.72 2084.65,454.72 C37.1@2096.46,442.91
PAYLOAD_0_ENABLE: PC104.H1-18 TP41.1 U9.32 | length 2356.9
  Top Layer w10: U9.32@2030.89,1049.23 2030.89,1051.75 2266.54,1287.4 2278.18,1287.4 2372.66,1381.89 v1(2393.7,1381.89) ; TP41.1@2384.84,1862.2 2408.2,1838.85 2482.44,1838.85 2648.06,1673.23 2804.13,1673.23 2876.22,1745.32 2876.22,1781.31 2947.83,1852.93 2947.83,1853.35 2953.74,1859.25 v1(3077.76,1859.25)
  Bottom Layer w10: TP41.1@2371.06,1849.41 2316.09,1794.43 2316.09,1547.1 2406.5,1456.69 2406.5,1402.02 v1@2396.21,1391.73 ; v1(3077.76,1859.25) 3077.76,1954.93 3168.1,2045.28 3227.36,2045.28 3250.98,2068.9 3250.98,2145.67 PC104.H1-18@3300.59,2195.28
PAYLOAD_1_ENABLE: PC104.H1-20 TP40.1 U9.33 | length 2204
  Top Layer w10: U9.33@2016.97,1063.15 2016.97,1065.66 2256.9,1305.59 2272.33,1305.59 2379.04,1412.31 2379.04,1441.05 v1@2379.78,1441.78 ; TP40.1@2318.9,1899.61 2536.42,1899.61 2544.49,1891.54 2606.4,1891.54 2672.99,1958.13 2826.32,1958.13 2901.39,1883.06 3106.87,1883.06 3169.88,1946.07 3223.62,1946.07 3252.56,1975 3252.56,2047.24 PC104.H1-20@3300.59,2095.28
  Bottom Layer w10: TP40.1@2317.91,1893.7 TP40.1@2319.88,1895.67 ; TP40.1@2319.88,1891.73 2299.09,1870.94 2299.09,1526.7 v1@2380.91,1444.88
  other v1: 2380.91,1437.01
PC104_GPIO0: J_PC8.2 U9.48 | length 2253.5
  Top Layer w10: U9.48@1808.18,1271.94 1840.64,1304.4 1876.38,1304.4 2014.76,1442.79 v1(2014.76,1447.83) ; v1@2017.29,1445.31 v1@2019.81,1447.83 ; v1(2840.82,2221.72) 2840.82,2227.27 J_PC8.2@2928.5,2314.96
  Bottom Layer w10: v1(2014.76,1447.83) 2019.81,1447.83 2073.26,1501.29 2073.26,1999.62 2023.25,2049.64 2023.05,2049.64 1993.65,2079.04 1993.65,2209.2 2116.59,2332.14 2284.98,2332.14 2459.2,2157.93 2809.61,2157.93 2841.54,2189.85 2840.82,2190.57 v1(2840.82,2221.72)
PC104_GPIO1: J_PC9.2 U9.49 | length 2194.7
  Top Layer w10: U9.49@1794.26,1285.86 1829.8,1321.4 1869.34,1321.4 1986.22,1438.28 1986.22,1463.31 v1(2014.76,1491.85) ; v1(2809.06,2192.59) 2878.62,2192.59 2910.43,2224.41 J_PC9.2@2928.5,2224.41
  Bottom Layer w10: v1(2014.76,1491.85) 2056.26,1533.35 2056.26,1992.58 2016.21,2032.64 2016.01,2032.64 1976.65,2072 1976.65,2216.24 2109.55,2349.14 2292.03,2349.14 2466.24,2174.93 2791.39,2174.93 v1(2809.06,2192.59)
PC104_GPIO2: J_PC10.2 U9.50 | length 2279.1
  Top Layer w10: U9.50@1780.34,1299.78 1818.96,1338.4 1862.3,1338.4 1969.22,1445.33 1969.22,1482.25 v1(2014.76,1527.79) ; v1@2016.85,1525.71 2017.94,1526.8 v1@2017.94,1527.79 ; v1(2741.14,2222.44) 2741.14,2172.09 2793.31,2119.92 2922.44,2119.92 J_PC10.2@2928.5,2125.98
  Bottom Layer w10: v1(2014.76,1527.79) 2039.26,1552.29 2039.26,1985.54 2009.16,2015.64 2008.96,2015.64 1959.65,2064.96 1959.65,2223.28 2102.51,2366.14 2299.07,2366.14 2473.28,2191.93 2710.63,2191.93 v1(2741.14,2222.44)
PC104_GPIO3: J_PC11.2 U9.51 | length 2835.1
  Top Layer w10: U9.51@1692.65,1299.78 1712.9,1279.53 1714.57,1279.53 1790.44,1355.4 1855.25,1355.4 1952.22,1452.37 1952.22,1500.45 v1(2014.76,1562.99) ; v1(1999.02,1991.14) 2010.41,1991.14 2115.72,1885.83 2280.51,1885.83 2344.49,1821.85 2475.39,1821.85 2650.19,1647.05 v1(2732.28,1647.05) ; v1(2709.65,1143.7) 2723.16,1157.21 2723.16,1328.67 2833.46,1438.98 2910.43,1438.98 v1@2916.34,1444.88
  Bottom Layer w10: v1(1999.02,1991.14) 2021.75,1968.41 2021.75,1569.98 v1(2014.76,1562.99) ; v1(2709.65,1143.7) 2770.67,1143.7 2918.31,996.06 J_PC11.2@2943.27,996.06 ; v1(2732.28,1647.05) 2732.28,1567.62 2830.97,1468.93 2880.11,1468.93 2905.9,1443.14 v1@2906.27,1443.14 ; v1@2906.5,1442.91 v1@2906.27,1443.14 ; v1@2916.34,1444.88 2908.01,1444.88 v1@2906.27,1443.14
  other v1: 2917.59,1442.16
PC104_GPIO4: PC104.H2-3 U9.55 | length 3928.2
  Top Layer w10: v1(1141.73,1956.5) 1151.77,1956.5 1168.77,1939.5 1721.33,1939.5 v1(1736.62,1954.79) ; v1(1428.94,1268.86) 1440.51,1280.43 1600.64,1280.43 U9.55@1636.97,1244.1 ; v1(1936.86,2400.78) 1937.14,2401.05 2560.65,2401.05 2740.55,2580.96 2863.05,2580.96 3139.76,2857.67 3139.76,2915.35 3169.29,2944.88 3350.98,2944.88 PC104.H2-3@3400.59,2895.28
  Bottom Layer w10: v1(1141.73,1956.5) 1125.98,1940.74 1125.98,1911.62 1140.91,1896.68 1140.91,1599.63 1428.94,1311.6 v1(1428.94,1268.86) ; v1(1736.62,1954.79) 1736.62,1992.42 1835.9,2091.7 1835.9,2299.81 v1(1936.86,2400.78)
PC104_GPIO5: PC104.H2-4 U9.56 | length 4001.9
  Top Layer w10: v1(1149.79,1922.5) v1(1766,1922.5) ; v1(1408.05,1245.43) 1408.43,1245.05 1438.8,1245.05 1457.18,1263.43 1589.81,1263.43 U9.56@1623.05,1230.18 ; v1(1957.9,2377.24) 2560.88,2377.24 2747.59,2563.96 2870.09,2563.96 3153.57,2847.44 3452.76,2847.44 PC104.H2-4@3500.59,2895.28
  Bottom Layer w10: v1(1149.79,1922.5) 1157.91,1914.37 1157.91,1606.67 1459.94,1304.64 1459.94,1266.18 1438.8,1245.05 1408.43,1245.05 v1(1408.05,1245.43) ; v1(1766,1922.5) 1766,1997.76 1852.9,2084.66 1852.9,2292.77 1937.09,2376.97 1957.62,2376.97 v1(1957.9,2377.24)
PC104_GPIO6: PC104.H2-8 U9.57 | length 3978.7
  Top Layer w10: v1(1167.51,1974.66) 1185.68,1956.5 1676.65,1956.5 v1(1707.24,1987.08) ; v1(1387.16,1222) 1387.54,1221.62 1439.42,1221.62 1464.22,1246.43 1581.48,1246.43 1606.61,1221.3 1606.61,1216.26 U9.57@1609.13,1216.26 ; v1(1937.35,2435.04) 1948.89,2423.5 2559.06,2423.5 v1@2750.85,2615.29
  Bottom Layer w10: v1@1174.91,1969.77 1174.91,1613.71 1476.94,1311.68 1476.94,1247.09 1451.47,1221.62 1387.54,1221.62 v1(1387.16,1222) ; v1(1707.24,1987.08) 1818.9,2098.74 1818.9,2316.49 1937.35,2434.95 v1(1937.35,2435.04) ; v1(2752.95,2613.19) 2785.43,2645.67 3450.98,2645.67 PC104.H2-8@3500.59,2695.28
RS485_RX_N: P8.2 R20.2 U10.7 | length 360.6
  Top Layer w18: U10.7@2729.68,1546.26 2763.78,1546.26 2884.19,1666.67 R20.2@2926.18,1666.67 2999.94,1666.67 P8.2@3028.54,1695.28
RS485_RX_P: P8.1 R20.1 U10.8 | length 381.3
  Top Layer w18: U10.8@2729.68,1596.26 2774.15,1596.26 2933.07,1755.18 2973.17,1795.28 P8.1@3028.54,1795.28
RS485_TX_N: P8.3 R19.2 U10.6 | length 339.9
  Top Layer w18: U10.6@2729.68,1496.26 2796.69,1496.26 2831.92,1531.5 2869.51,1531.5 2923.29,1585.28 3018.54,1585.28 P8.3@3028.54,1595.28
RS485_TX_P: P8.4 R19.1 U10.5 | length 327.5
  Top Layer w18: U10.5@2729.68,1446.26 2783.86,1446.26 2842.87,1505.28 3018.54,1505.28 P8.4@3028.54,1495.28
SPI_CLK: J_PC7.2 P3.11 PC104.H1-35 PC104.H2-12 R18.1 TP5.1 U5.16 U9.17 U11.6 | length 8771.1
  Top Layer w10: v1(460.63,2547.24) P3.11@672.64,2547.24 ; U5.16@701.26,962.32 710.17,971.23 1034.68,971.23 1072.73,933.17 1072.73,854.37 1098.55,828.55 1204.2,828.55 1270.82,761.93 v1(1279.53,761.93) ; U11.6@990.56,885.72 990.4,885.57 994.09,881.87 v1(994.09,818.9) ; v1(1598.43,891.73) 1607.36,900.67 1607.36,1005 1688.98,1086.61 1765.69,1086.61 1826.5,1025.8 1845.52,1025.8 1907.39,963.93 1907.39,862.32 U9.17@2003.05,766.66 2043.45,726.27 v1@2317.93,726.27 ; v1(2443.9,961.61) 2444.43,962.15 2444.43,1136.36 2476.38,1168.31 2476.38,1227.36 v1(2453.74,1250) ; TP5.1@2853.04,1250 2865.16,1250 2961.61,1153.54 3058.86,1153.54 PC104.H1-35@3200.59,1295.28 3249.8,1344.49 3530.51,1344.49 3555.91,1369.88 3555.91,2330.91 v1(3544.29,2342.52)
  Bottom Layer w10: v1@452.76,2547.24 v1(460.63,2547.24) 460.63,2523.31 236.67,2299.35 236.67,1883.01 110.06,1756.39 110.06,749.62 289.07,570.6 506.86,570.6 562.56,626.31 606.44,626.31 611.2,621.55 611.2,854.45 676.04,919.29 780.15,919.29 v1@825.05,964.19 ; v1(825.05,975.39) v1@828.9,971.54 ; v1(994.09,818.9) v1(994.09,975.32) ; v1(1279.53,761.93) 1287.88,770.29 1428.76,770.29 1535.43,876.97 1583.66,876.97 v1(1598.43,891.73) ; v1(2319.88,726.27) 2319.94,726.27 2443.9,850.23 v1(2443.9,961.61) ; v1(2453.74,1250) 2459.32,1250 2495.82,1213.51 2822.76,1213.51 2892.72,1283.46 J_PC7.2@2939.33,1283.46 ; PC104.H2-12@3500.59,2495.28 3523.43,2495.28 3551.78,2466.92 3551.78,2350.01 v1(3544.29,2342.52)
SPI_MISO: J_PC6.2 P3.13 PC104.H1-37 PC104.H2-14 TP4.1 U5.8 U9.22 U11.2 | length 8009.5
  Top Layer w10: U5.8@330.24,612.32 v1(401.69,612.32) 462.01,552.01 880.66,552.01 937.73,609.08 U11.2@937.73,613.84 ; v1@547.4,2574.1 v1(547.4,2573.66) 560.35,2586.61 P3.13@672.64,2586.61 ; U11.2@940.56,641.43 940.56,611.9 979.63,572.83 v1(1030.56,572.83) ; v1(1566.51,939.45) 1573.36,946.31 1573.36,1019.09 1674.89,1120.61 1866.76,1120.61 1975.39,1011.98 1975.39,933.51 U9.22@2072.65,836.26 2148.64,760.27 2283.53,760.27 v1(2319.88,796.62) ; v1(2388.78,947.83) 2388.78,999.22 2410.43,1020.87 v1(2410.43,1225.39) ; TP4.1@2853.04,1183.43 2853.04,1176.93 2893.43,1136.54 3155.24,1136.54 3200.59,1181.89 PC104.H1-37@3200.59,1195.28 3251.38,1246.06 3536.42,1246.06 3572.91,1282.55 3572.91,2350.32 3527.95,2395.28 PC104.H2-14@3500.59,2395.28
  Bottom Layer w10: v1(401.69,612.32) 295.43,612.32 144.06,763.7 144.06,1742.31 270.67,1868.92 270.67,2285.27 547.4,2562 v1(547.4,2573.66) ; v1(1030.56,572.83) 1030.56,593.36 1101.84,664.64 1101.84,665.26 1240.86,804.29 1414.67,804.29 1549.83,939.45 v1(1566.51,939.45) ; v1@2321.85,794.66 2388.78,861.58 v1(2388.78,947.83) ; v1@2410.54,1225.5 v1(2410.43,1225.39) 2459.89,1225.39 2488.77,1196.51 2839.97,1196.51 TP4.1@2853.04,1183.43 2858.59,1188.98 J_PC6.2@2939.33,1188.98 J_PC6.2@2927.52,1200.79
SPI_MOSI: J_PC5.2 P3.15 PC104.H1-39 PC104.H2-11 TP3.1 U5.15 U9.21 U11.5 | length 8633.8
  Top Layer w10: v1@500.98,2579.72 500.98,2577.79 549.18,2625.98 P3.15@672.64,2625.98 ; U5.15@701.26,912.32 710.18,921.24 749.98,921.24 777.56,948.82 1011.81,948.82 1040.56,920.07 U11.5@1040.56,885.72 1040.56,862.5 1091.5,811.55 1181.68,811.55 v1(1233.27,759.97) ; v1(1563.88,902.05) 1590.36,928.54 1590.36,1012.04 1681.93,1103.61 1859.71,1103.61 1958.39,1004.93 1958.39,922.68 U9.21@2058.73,822.34 2137.8,743.27 2301.7,743.27 v1(2319.88,761.45) ; v1(2414.37,990.16) 2414.37,1000.76 2427.43,1013.83 2427.43,1171.53 v1(2447.83,1191.93) ; TP3.1@2853.35,1112.2 2862.2,1103.35 3188.16,1103.35 3196.23,1095.28 PC104.H1-39@3200.59,1095.28 3250,1144.69 3251.97,1142.72 v1(3563.98,1142.72)
  Bottom Layer w10: v1@500.98,2579.72 v1(500.98,2573.66) 500.98,2539.62 253.67,2292.31 253.67,1875.96 127.06,1749.35 127.06,756.66 296.11,587.6 499.81,587.6 594.2,681.98 594.2,861.49 677.23,944.53 v1(769.68,944.53) ; v1(1233.27,759.97) 1260.59,787.29 1421.71,787.29 1536.48,902.05 v1(1563.88,902.05) ; v1@2316.93,756.89 2320.68,760.64 2321.47,760.64 2414.37,853.55 v1(2414.37,990.16) ; v1(2447.83,1191.93) 2454.36,1191.93 2466.78,1179.51 2779.72,1179.51 2880.49,1078.74 2927.52,1078.74 J_PC5.2@2939.33,1090.55 ; PC104.H2-11@3400.39,2495.28 3400.39,2509.65 3437.01,2546.26 3525.06,2546.26 3574.8,2496.52 3574.8,2314.96 3574.8,1153.54 v1(3563.98,1142.72)
SYSTEM_FAULT_LED: R3.2 U9.28 | length 3030.7
  Top Layer w10: v1(1412.4,2261.81) 1455.22,2261.81 2245.92,3052.51 R3.2@2245.92,3138.21 ; U9.28@2086.57,993.55 2086.57,996.07 2114.3,1023.8 2114.3,1062.01 v1(2113.19,1062.01)
  Bottom Layer w10: v1(1412.4,2261.81) 1412.4,2214.99 1370.07,2172.66 1370.07,1884.44 1397.91,1856.6 1397.91,1799.68 1509.86,1687.72 1773.18,1687.72 1842.25,1618.65 1842.25,1292.83 2073.08,1062.01 v1(2113.19,1062.01)
SYSTEM_LED: R2.2 U9.31 | length 3064.1
  Top Layer w10: v1(1441.14,2223.69) 2349.41,3131.96 R2.2@2349.41,3138.21 ; U9.31@2044.81,1035.31 2104.77,1095.28 v1(2135.9,1095.28)
  Bottom Layer w10: v1(1441.14,2223.69) 1441.14,2219.69 1387.07,2165.61 1387.07,1891.48 1414.91,1863.64 1414.91,1806.72 1516.9,1704.72 1780.22,1704.72 1829.04,1655.9 1859.25,1625.69 1859.25,1299.87 2063.85,1095.28 v1(2135.9,1095.28)
TTC_MCU_SPI_CS: PC104.H2-13 TP34.1 U9.40 | length 2421
  Top Layer w10: U9.40@1919.53,1160.58 1919.53,1163.1 v1@2096.23,1339.8 ; TP34.1@2180.12,2045.28 2187.01,2052.17 2320.87,2052.17 2408.65,2139.94 2467.83,2139.94 2789.84,2461.96 3059.7,2461.96 3079.13,2442.53 3353.34,2442.53 PC104.H2-13@3400.59,2395.28
  Bottom Layer w10: v1(2095.47,1340.55) 2095.47,1355.32 2147.76,1407.61 2147.76,1838.26 ; 2147.74,1838.28 2147.74,1938.06 2183.34,1973.65 TP34.1@2183.34,2052.06
UART0_RX: P1.5 P2.14 P7.2 R5.2 U9.71 | length 8298.8
  Top Layer w10: P7.2@106.56,1965.75 61.35,1920.54 61.35,523.62 61.35,474.22 351.24,184.32 493.23,184.32 575.64,266.73 v1(614.17,266.73) ; v1(349.08,2573.66) 369.15,2593.74 369.15,2734.13 v1(374.3,2739.27) ; v1(951.77,167.32) 953.1,254.92 P1.5@951.77,244.09 ; v1(1289.37,1063.98) 1298.55,1054.8 1380.85,1054.8 U9.71@1414.26,1021.39 ; v1(1535.43,491.14) 1535.43,489.17 1557.96,466.64 1557.96,429.81 1543.31,415.16 1543.31,343.52 1576.79,310.04 1670.85,310.04 1688.57,292.32 1807.57,292.32 1895.17,204.72 P2.14@1923.43,204.72 ; v1@1937.01,2991.14 v1(1938.98,2991.14) 2059.06,2991.14 2142.43,3074.52 R5.2@2142.43,3139.04
  Bottom Layer w10: P7.2@106.56,1965.75 132.09,1965.75 185.67,2019.33 185.67,2320.48 329.01,2463.81 329.01,2553.59 v1(349.08,2573.66) ; v1@374.33,2739.3 374.33,2771.27 657.09,3054.03 1876.09,3054.03 v1(1938.98,2991.14) ; v1(1289.37,1063.98) 1289.37,1056.1 1247.74,1014.47 1247.74,954.83 1221.62,928.71 1221.51,928.71 1217.44,924.63 1217.44,852.99 1050.84,686.39 1050.84,685.76 967.62,602.54 828.72,602.54 771.63,545.45 771.63,544.81 727.82,501.01 727.19,501.01 598.69,372.51 598.69,282.21 v1(614.17,266.73) 636.54,244.36 874.73,244.36 v1(951.77,167.32) 960.36,158.73 1168.26,158.73 1293.62,284.09 1364.15,284.09 1508.96,428.9 1508.96,450.11 1535.43,476.58 v1(1535.43,491.14)
UART0_TX: P1.4 P2.12 P7.1 R4.2 U9.70 | length 8121.9
  Top Layer w10: P7.1@106.56,2065.75 44.35,2003.54 44.35,467.17 344.2,167.32 500.27,167.32 560.31,227.36 v1(578.47,227.36) ; v1(312.01,2573.66) 349.83,2611.49 349.83,2729.09 ; 349.8,2729.12 v1@349.8,2770.78 ; P1.4@892.72,253.94 902.56,244.09 v1(902.56,167.32) ; v1(1272.64,1101.38) 1285.75,1101.38 1315.33,1071.8 1391.69,1071.8 U9.70@1428.18,1035.31 ; v1(1533.46,439.96) 1526.31,432.8 1526.31,336.48 1569.75,293.04 1663.81,293.04 1681.53,275.32 1752.83,275.32 P2.12@1823.43,204.72 ; v1(1938.98,3029.53) 1992.92,3029.53 2038.95,3075.55 R4.2@2038.95,3139.04
  Bottom Layer w10: P7.1@106.56,2065.75 168.67,2127.86 168.67,2327.52 312.01,2470.86 v1(312.01,2573.66) ; v1(349.83,2770.81) 650.05,3071.03 1897.48,3071.03 v1(1938.98,3029.53) ; v1(1272.64,1101.38) 1230.74,1059.48 1230.74,961.87 1214.57,945.71 1214.47,945.71 1200.44,931.68 1200.44,860.03 1033.84,693.43 1033.84,692.81 960.57,619.54 821.68,619.54 754.63,552.49 754.63,551.85 720.78,518.01 720.14,518.01 578.47,376.34 v1(578.47,227.36) 842.52,227.36 v1(902.56,167.32) 928.15,141.73 1175.3,141.73 1300.66,267.09 1371.2,267.09 1533.46,429.35 v1(1533.46,439.96)